# KiCad board EmotionTracker_DS32.kicad_pcb
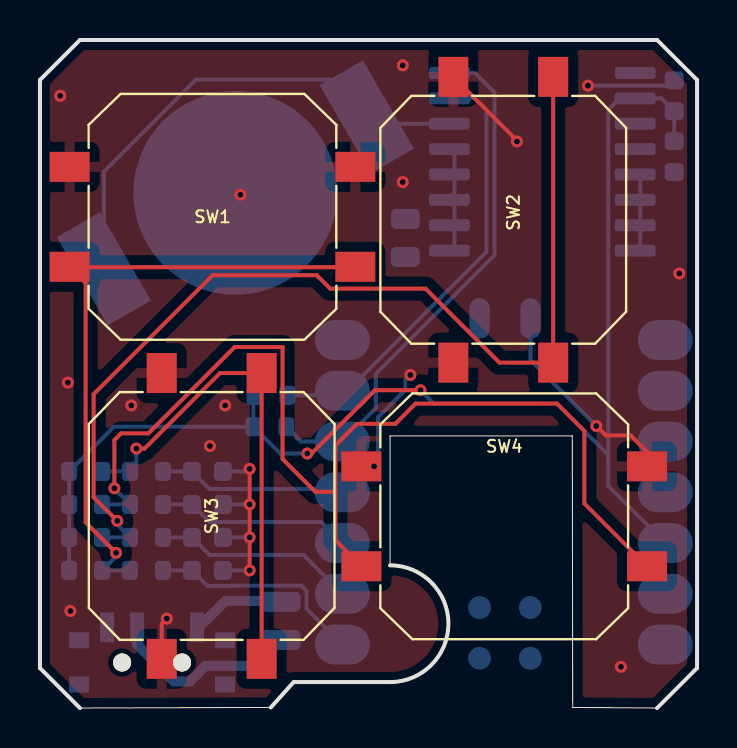
[diagram p0: board, top side]
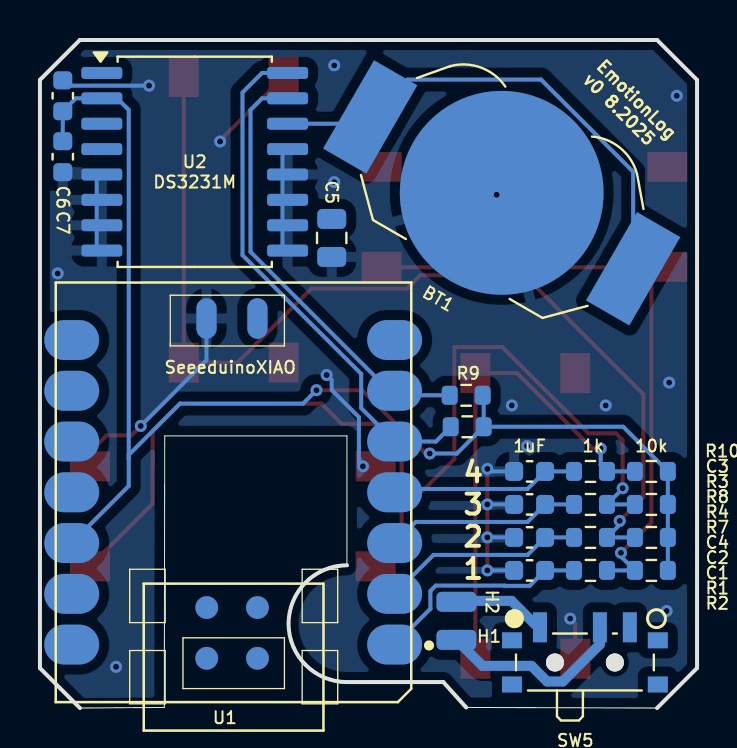
[diagram p1: board, bottom side, seen from below]

Outline 32.89 x 33.43 mm; copper layers: Top, Bottom. Coordinates in mm from the lower left corner of the outline.
Outline path: 0,31.43 0,2 2,0 11.56,0.03 12.7,1.3 17.53,1.3 arc(20.45,4.22) 17.53,7.14 17.53,13.62 26.65,13.62 26.67,0.03 30.89,0 32.89,2 32.89,31.43 30.89,33.43 2,33.43 0,31.43

## Placement (name value [footprint] x y rotation side)
BT1  CR1216  [BatteryHolder_LINX_BAT-HLD-012-SMT]  9.78 25.78 30 bottom
C1  1uF  [C_0603_1608Metric]  8.38 6.89 0 bottom
C2  1uF  [C_0603_1608Metric]  8.38 8.54 0 bottom
C3  1uF  [C_0603_1608Metric]  8.38 11.84 0 bottom
C4  1uF  [C_0603_1608Metric]  8.38 10.19 0 bottom
C5  10uF  [C_0805_2012Metric]  18.29 23.52 270 bottom
C6  100nF_Ceramic  [C_0603_1608Metric]  31.75 30.64 270 bottom
C7  100nF_Ceramic  [C_0603_1608Metric]  31.75 27.59 90 bottom
H1  MountingHole_Pad_MP  [SolderWirePad_1x01_SMD_1x2mm]  12.05 3.41 90 bottom
H2  MountingHole_Pad_MP  [SolderWirePad_1x01_SMD_1x2mm]  12.05 5.32 90 bottom
R1  10k  [R_0603_1608Metric]  2.29 6.89 0 bottom
R2  1k  [R_0603_1608Metric]  5.33 6.89 180 bottom
R3  10k  [R_0603_1608Metric]  2.29 8.54 0 bottom
R4  1k  [R_0603_1608Metric]  5.33 8.54 180 bottom
R5  10k  [R_0603_1608Metric]  2.29 11.84 0 bottom
R6  1k  [R_0603_1608Metric]  5.33 11.84 180 bottom
R7  10k  [R_0603_1608Metric]  2.29 10.19 0 bottom
R8  1k  [R_0603_1608Metric]  5.33 10.19 180 bottom
R9  10k  [R_0603_1608Metric]  11.56 15.65 180 bottom
R10  10k  [R_0603_1608Metric]  11.51 14.08 180 bottom
SW1  SW_MEC_5E  [SW_Push_1P1T_NO_CK_PTS125Sx43PSMTR]  8.64 24.58 0 top
SW2  SW_MEC_5E  [SW_Push_1P1T_NO_CK_PTS125Sx43PSMTR]  23.19 24.43 90 top
SW3  SW_MEC_5E  [SW_Push_1P1T_NO_CK_PTS125Sx43PSMTR]  8.6 9.61 90 top
SW4  SW_MEC_5E  [SW_Push_1P1T_NO_CK_PTS125Sx43PSMTR]  23.24 9.59 0 top
SW5  SW_SPDT  [SW_SPDT_PCM12]  5.61 2.61 180 bottom
U1  SeeeduinoXIAO  [Seeeduino XIAO-MOUDLE14P-2.54-21X17.8MM]  14.31 21.29 0 bottom
U2  DS3231M  [SOIC-16W_7.5x10.3mm_P1.27mm]  25.15 27.33 180 bottom

## Library data of the parts
BT1 = -: Description: Single-cell battery
C1-C5 = -: Description: Unpolarized capacitor; ki_fp_filters: C_*
C6 C7 = -: Description: 100nF Ceramic Capacitor
H1 H2 = -: Description: Mounting Hole with connection as pad named MP; ki_fp_filters: MountingHole*Pad*
R1-R8 = -: Description: Resistor; ki_fp_filters: R_*
R9 R10 = -: Description: 10kÎ©, 1/4W Resistor; ki_fp_filters: Resistor_THT:R_Axial_DIN0207_L6.3mm_D2.5mm*
SW1-SW4 = -: Datasheet: http://www.apem.com/int/index.php?controller=attachment&id_attachment=1371; Description: MEC 5E single pole normally-open tactile switch; ki_fp_filters: SW*MEC*5G*
SW5 = -: Description: Switch, single pole double throw
U2 = -: Datasheet: http://datasheets.maximintegrated.com/en/ds/DS3231.pdf; Description: Extremely Accurate I2C-Integrated RTC/TCXO/Crystal SOIC-16; ki_fp_filters: SOIC*7.5x10.3mm*P1.27mm*

## Footprints (pads in the part's own frame, mm; a bottom-side part is the same pattern mirrored in y, then rotated)
BatteryHolder_LINX_BAT-HLD-012-SMT
  rect 2.5x5.1 smd: 1(-7.6,0) 1(7.6,0)
  round 10.2 smd: 2(0,0)
C_0603_1608Metric
  rrect 0.9x0.95 smd: 1(-0.775,0) 2(0.775,0)
C_0805_2012Metric
  rrect 1x1.45 smd: 1(-0.95,0) 2(0.95,0)
R_0603_1608Metric
  rrect 0.8x0.95 smd: 1(-0.825,0) 2(0.825,0)
Seeeduino XIAO-MOUDLE14P-2.54-21X17.8MM
  oval 2.748x1.999 smd: 1(0.833,18.118) 2(0.833,15.578) 3(0.833,13.038) 4(0.833,10.498) 5(0.833,7.958) 6(0.833,5.418) 7(0.833,2.878) 8(16.998,2.878) 9(16.998,5.418) 10(16.998,7.958) 11(16.998,10.498) 12(16.998,13.038) 13(16.998,15.578) 14(16.998,18.118)
  oval 1.016x2.032 smd: 15(7.7,1.8) 16(10.25,1.8)
  round 1.143 smd: 17(7.699,18.804) 18(10.239,18.804) 19(7.699,16.264) 20(10.239,16.264)
SOIC-16W_7.5x10.3mm_P1.27mm
  rrect 2.05x0.6 smd: 1(-4.65,4.445) 2(-4.65,3.175) 3(-4.65,1.905) 4(-4.65,0.635) 5(-4.65,-0.635) 6(-4.65,-1.905) 7(-4.65,-3.175) 8(-4.65,-4.445) 9(4.65,-4.445) 10(4.65,-3.175) 11(4.65,-1.905) 12(4.65,-0.635) 13(4.65,0.635) 14(4.65,1.905) 15(4.65,3.175) 16(4.65,4.445)
SolderWirePad_1x01_SMD_1x2mm
  rrect 1x2 smd: 1(0,0)
SW_Push_1P1T_NO_CK_PTS125Sx43PSMTR
  rect 2x1.5 smd: 1(-7.15,2.5) 1(7.15,2.5) 2(-7.15,-2.5) 2(7.15,-2.5)
SW_SPDT_PCM12
  rect 1x0.8 smd: (-3.65,-1.43) (-3.65,0.78) (3.65,-1.43) (3.65,0.78)
  round 0.9 hole 0.9 unplated: (-1.5,-0.33) (1.5,-0.33)
  rect 0.7x1.5 smd: 1(-2.25,1.43) 2(0.75,1.43) 3(2.25,1.43)

## Nets
+3.3V: C6.2 C7.2 R1.1 R3.1 R5.1 R7.1 R9.2 R10.2 U1.12 U2.2
GND: BT1.2 C1.2 C2.2 C3.2 C4.2 C5.2 C6.1 C7.1 SW1.1 SW2.1 SW3.1 SW4.1 U1.16 U2.5 U2.6 U2.7 U2.8 U2.9 U2.10 U2.11 U2.12 U2.13
SCL: R9.1 U1.6 U2.15
SDA: R10.1 U1.5 U2.16
Switch_1: C1.1 R2.1 U1.1
Switch_2: C2.1 R4.1 U1.2
Switch_3: C4.1 R8.1 U1.3
Switch_4: C3.1 R6.1 U1.4
Net-(BT1-+): BT1.1 U2.14
Net-(R1-Pad2): R1.2 R2.2 SW1.2
Net-(R3-Pad2): R3.2 R4.2 SW2.2
Net-(R5-Pad2): R5.2 R6.2 SW3.2
Net-(R7-Pad2): R7.2 R8.2 SW4.2
Net-(SW5-A): H2.1 SW5.1
Net-(SW5-B): H1.1 SW5.2

Pads without a net: C5 1; SW5 3; U1 7 8 9 10 11 13 14 15 17 18 19 20; U2 1 3 4

## Via types
v1: diameter 0.6, hole 0.3, Top to Bottom, 27 vias

## Routing (per net, layer and track width the routed paths; a pad name or vN(x,y) marks a point on that pad's centre or on a via; arc(x,y) is an arc through that point)
+3.3V: length 66.3
  Top w0.2: v1(19.05,15.9) 16.76,15.9 13.59,12.73 v1(13.38,12.73)
  Bottom w0.2: 28.45,12.48 28.45,12.67 25.88,15.23 19.72,15.23 v1(19.05,15.9) ; 28.45,12.48 28.45,11.11 U1.12 ; 28.45,12.48 28.45,29.93 29.03,30.51 30.05,30.51 ; U2.2 31.1,30.51 C6.2 C7.2 ; R10.2 12.02,12.73 v1(13.38,12.73) ; R10.2 3.7,14.08 R5.1 R1.1 ; R10.2 10.68,15.6 R9.2
GND: length 46.5
  Top w0.2: 20.69,31.58 23.88,28.4 v1(23.88,28.35) ; SW3.1 6.1,4.22 v1(6.35,4.47) ; v1(27.85,14.11) 28.32,13.64 29.57,13.64 30.39,12.82 30.39,11.9 ; v1(10.5,6.89) v1(10.5,11.97)
  Bottom w0.2: C3.2 10.37,11.84 v1(10.5,11.97) ; 20.75,27.97 20.75,22.89 ; 30.05,22.89 30.05,26.7 ; C2.2 v1(10.5,8.54) ; v1(27.85,14.11) 27.85,14.12 24.56,17.41 U1.16 ; C4.2 v1(10.5,10.19) ; v1(18.54,16.67) 18.29,16.41 18.29,15.92 16.93,14.56 16.93,12.29 v1(16.73,12.09) ; C1.2 v1(10.5,6.89) ; C6.1 31.48,31.14 v1(27.43,31.14)
  vias: v1(1.02,30.64) v1(1.4,16.28) v1(1.52,4.86) v1(4.57,15.14) v1(8.51,13.11) v1(9.27,15.14) v1(10.03,25.68) v1(18.16,32.16) v1(18.16,26.32) v1(29.08,2.06) v1(32,21.75)
SCL: length 21.6
  Bottom w0.2: 20.75,30.51 21.77,30.51 22.35,29.93 22.35,22.83 15.4,15.88 ; U1.6 14.91,15.65 R9.1
SDA: length 26.1
  Bottom w0.2: 20.75,31.78 21.77,31.78 22.75,30.8 22.75,22.66 16.81,16.72 16.81,15.01 U1.5 13.07,13.34 R10.1
Switch_1: length 11.1
  Bottom w0.2: R2.1 C1.1 8.38,6.11 9.61,6.11 9.62,6.12 13.08,6.12 13.35,5.86 13.35,4.97 U1.1
Switch_2: length 10.1
  Bottom w0.2: R4.1 C2.1 8.48,7.66 13.19,7.66 U1.2
Switch_3: length 9.8
  Bottom w0.2: R8.1 C4.1 8.48,9.31 14.08,9.31 U1.3
Switch_4: length 9.4
  Bottom w0.2: U1.4 14.97,10.96 8.48,10.96 C3.1 R6.1
Net-(BT1-+): length 26.3
  Bottom w0.2: BT1.1 14.49,31.45 7.81,31.45 3.2,26.84 BT1.1 ; BT1.1 17.11,28.83 ; BT1.1 16.7,29.24 20.75,29.24
Net-(R1-Pad2): length 32.1
  Top w0.2: 15.79,22.06 1.49,22.06 ; 1.49,22.08 2.29,21.28 2.29,9.29 v1(3.81,7.77)
  Bottom w0.2: R2.2 R1.2 3.81,7.59 v1(3.81,7.77)
Net-(R3-Pad2): length 50.9
  Top w0.2: v1(3.87,9.37) 2.69,10.55 2.69,15.7 8.64,21.66 13.86,21.66 14.53,20.98 19.3,20.98 23,17.28 SW2.2 25.69,31.58
  Bottom w0.2: v1(3.87,9.37) 3.87,9.18 R4.2 R3.2
Net-(R5-Pad2): length 24.8
  Top w0.2: SW3.2 SW3.2 9.01,16.76 5.23,12.98 v1(4.83,12.98)
  Bottom w0.2: v1(4.83,12.98) 4.83,12.16 R6.2 R5.2
Net-(R7-Pad2): length 52.8
  Top w0.2: SW4.2 27.25,10.23 27.25,13.86 25.88,15.23 18.8,15.23 17.79,14.22 15.87,14.22 14.79,13.14 14.79,10.82 ; SW4.2 14.79,8.39 14.79,10.82 ; 14.79,10.82 13.78,10.82 12.15,12.46 12.15,18.06 9.75,18.06 5.43,13.75 4.06,13.75 3.72,13.41 v1(3.72,11)
  Bottom w0.2: v1(3.72,11) 3.72,10.97 R8.2 R7.2
Net-(SW5-A): length 4.7
  Bottom w0.5: 8.09,4.17 9.29,5.36 12.19,5.36 12.27,5.44
Net-(SW5-B): length 9.7
  Bottom w0.5: SW5.2 4.86,3.19 6.72,1.33 7.51,1.33 8.29,2.11 10.75,2.11 H1.1

## Copper pours and planes (outline as drawn; the poured copper is in the pictures)
GND on Top, Bottom: 0,33.43 32.89,33.43 32.89,0 0,0

## Text on the board
B.Silkscreen: EmotionLog / v0 8.2025 | 4 / 3 / 2 / 1
